# Altium PCB Proyecto_0-Buck_Up.PcbDoc (part 4 of 5)
Units mil, origin at the board's own origin, x right, y up, seen from the top; angles counter-clockwise.
Board outline 2559.06 x 1771.65 mil, 10 copper layers (TOP, GND[1], VDD[1], Signal[1], GND[2], VDD[2], Signal[2], GND[3], VDD[3], Bottom Layer), stack 79.883 mil thick; 191 components, 257 nets, 1114 pads, 633 vias.
Unrouted connection lines stored in the file: 488.
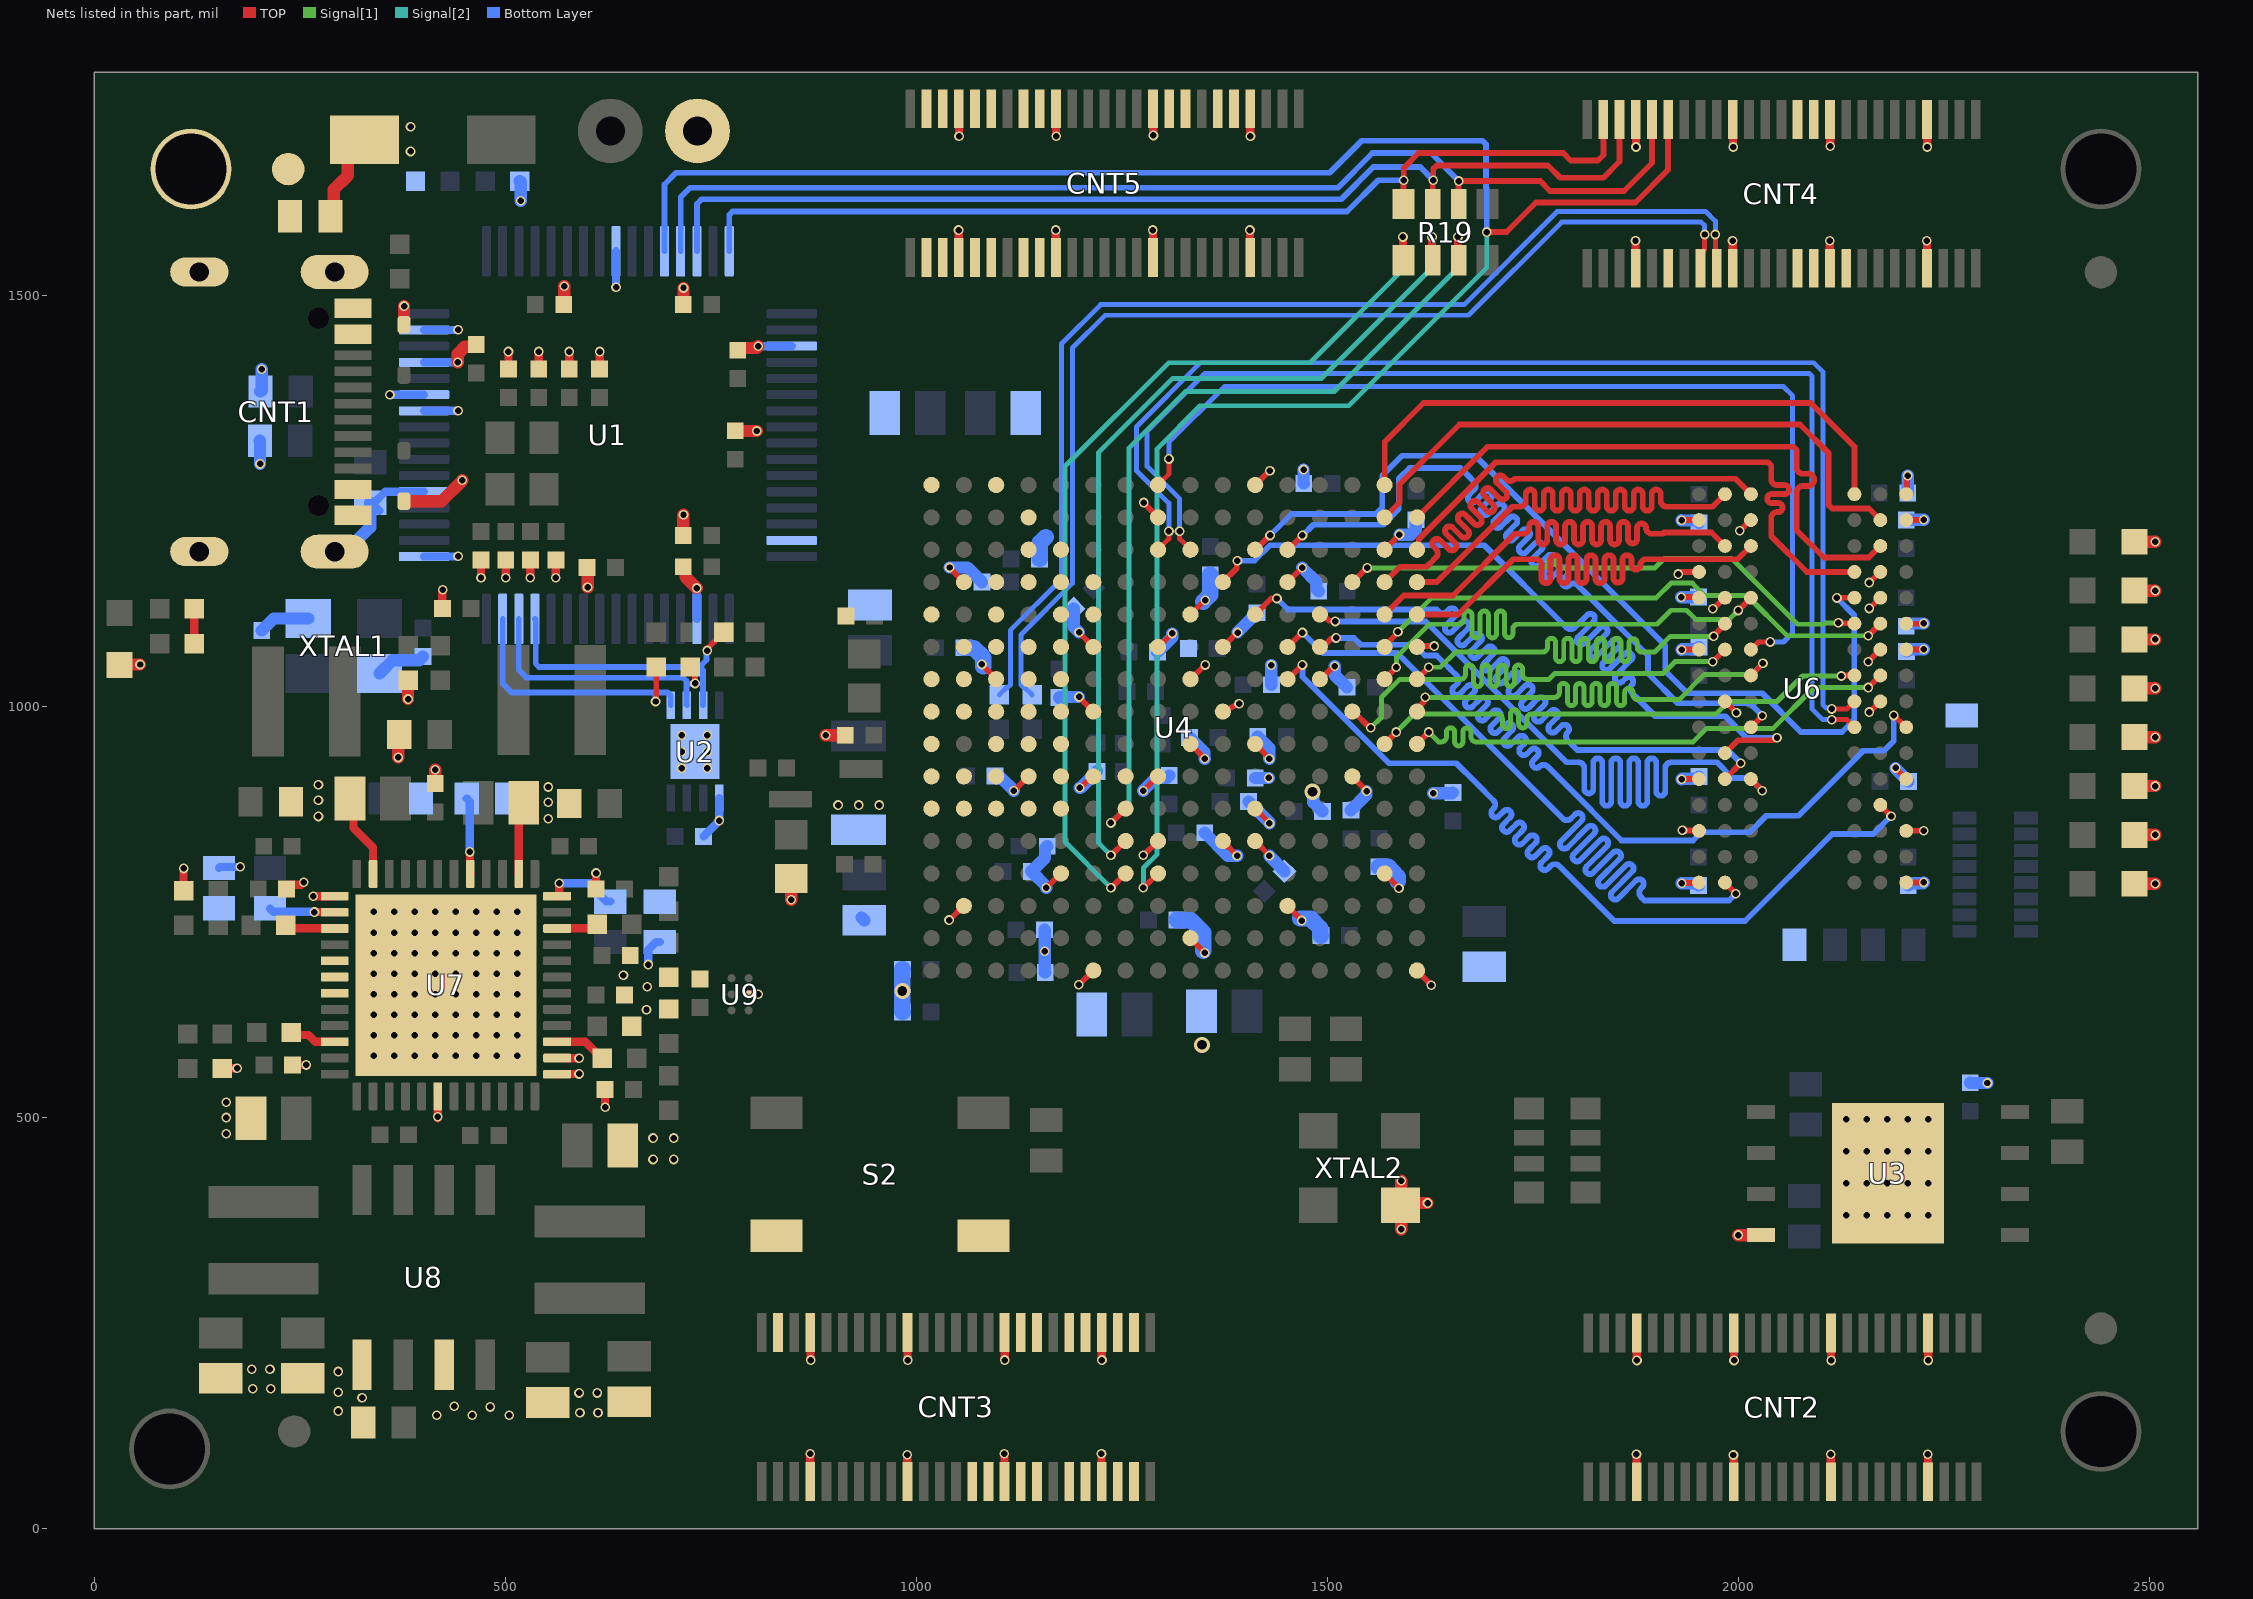
[diagram p12: the nets of this part, all layers, seen from the top]

## Via types
v1: diameter 11.81, hole 7.87, TOP to Bottom Layer, 618 vias
v2: diameter 19.68, hole 11.81, TOP to Bottom Layer, 15 vias

## Nets (pads, with @x,y where several pads share a name; then routed paths per layer and width w, separated by ;. In a path a pad name is that pad's centre, name@x,y a point inside that pad or via, vN(x,y) a via of type N, cw(c..) or ccw(c..) an arc to the next point about the centre after c; other vN are vias at no path point) (continued)
BA0: U4.E11 U6.M2 | length 1111.7
  TOP w7: U4.E11@1412.31,1111.86 1431.73,1131.27 v1(1438.8,1131.27) ; U6.M2@1983.72,911.7 v1(2002.94,930.94)
  Bottom Layer w7: v1(1438.8,1131.27) 1452.07,1118 1633,1118 1633.05,1117.95 1635.52,1115.48 ccw(c1640.47,1120.43) 1645.42,1115.48 1647.83,1117.88 cw(c1651.69,1114.01) 1655.56,1117.88 cw(c1651.69,1114.01) 1655.56,1110.15 1644.47,1099.06 ccw(c1648.34,1095.19) 1644.47,1091.32 ccw(c1648.34,1095.19) 1652.21,1091.32 1663.3,1102.41 cw(c1667.16,1098.55) 1671.03,1102.41 cw(c1667.16,1098.55) 1671.03,1094.68 1659.94,1083.59 ccw(c1663.81,1079.72) 1659.94,1075.86 ccw(c1663.81,1079.72) 1667.67,1075.86 1678.76,1086.95 cw(c1682.63,1083.08) 1686.5,1086.95 cw(c1682.63,1083.08) 1686.5,1079.21 1675.41,1068.12 ccw(c1679.27,1064.26) 1675.41,1060.39 ccw(c1679.27,1064.26) 1683.14,1060.39 1694.23,1071.48 cw(c1698.1,1067.61) 1701.96,1071.48 cw(c1698.1,1067.61) 1701.96,1063.74 1690.87,1052.65 ccw(c1694.74,1048.79) 1690.87,1044.92 ccw(c1694.74,1048.79) 1698.61,1044.92 1709.7,1056.01 cw(c1713.56,1052.14) 1717.43,1056.01 cw(c1713.56,1052.14) 1717.43,1048.28 1706.34,1037.19 ccw(c1710.21,1033.32) 1706.34,1029.45 ccw(c1710.21,1033.32) 1714.07,1029.45 1725.16,1040.54 cw(c1729.03,1036.68) 1732.9,1040.54 cw(c1729.03,1036.68) 1732.9,1032.81 1721.81,1021.72 ccw(c1725.67,1017.85) 1721.81,1013.99 ccw(c1725.67,1017.85) 1729.54,1013.99 1740.63,1025.08 cw(c1744.5,1021.21) 1748.37,1025.08 cw(c1744.5,1021.21) 1748.37,1017.34 1737.28,1006.25 ccw(c1741.14,1002.39) 1737.28,998.52 ccw(c1741.14,1002.39) 1745.01,998.52 1756.1,1009.61 cw(c1759.97,1005.74) 1763.83,1009.61 cw(c1759.97,1005.74) 1763.83,1001.88 1752.74,990.79 ccw(c1756.61,986.92) 1752.74,983.05 ccw(c1756.61,986.92) 1760.48,983.05 1771.57,994.14 cw(c1775.43,990.28) 1779.3,994.14 cw(c1775.43,990.28) 1779.3,986.41 1770.37,977.48 ccw(c1774.23,973.61) 1770.37,969.74 ccw(c1774.23,973.61) 1778.1,969.74 1784.63,976.27 cw(c1788.5,972.4) 1792.36,976.27 cw(c1788.5,972.4) 1792.36,968.54 ccw(c1797.31,963.59) 1792.36,958.64 1804,947 1818.36,947 1987,947 2002.94,931.06 v1(2002.94,930.94)
BA1: U4.G12 U6.N8 | length 1111.9
  TOP w7: U4.G12@1451.68,1033.12 1452.07,1033.12 1469.45,1050.49 v1(1469.84,1050.49) ; U6.N8@2172.7,880.2 2172.7,879.89 2185.7,866.88 v1(2185.7,866.57)
  Bottom Layer w7: v1(1469.84,1050.49) 1469.84,1036.16 1575,931 1657,931 1680.5,907.5 1682.97,905.03 1702.34,885.66 cw(c1697.39,880.71) 1702.34,875.76 1700.95,874.37 ccw(c1704.81,870.5) 1700.95,866.64 ccw(c1704.81,870.5) 1708.68,866.64 1714.69,872.65 cw(c1718.56,868.78) 1722.42,872.65 cw(c1718.56,868.78) 1722.42,864.91 1714.18,856.67 ccw(c1718.04,852.8) 1714.18,848.93 ccw(c1718.04,852.8) 1721.91,848.93 1730.16,857.18 cw(c1734.02,853.31) 1737.89,857.18 cw(c1734.02,853.31) 1737.89,849.45 1729.64,841.2 ccw(c1733.51,837.33) 1729.64,833.47 ccw(c1733.51,837.33) 1737.38,833.47 1745.62,841.71 cw(c1749.49,837.85) 1753.36,841.71 cw(c1749.49,837.85) 1753.36,833.98 1745.11,825.73 ccw(c1748.98,821.87) 1745.11,818 ccw(c1748.98,821.87) 1752.84,818 1761.09,826.25 cw(c1764.96,822.38) 1768.83,826.25 cw(c1764.96,822.38) 1768.83,818.51 1760.58,810.26 ccw(c1764.45,806.4) 1760.58,802.53 ccw(c1764.45,806.4) 1768.31,802.53 1771.94,806.16 cw(c1776.89,801.21) 1781.84,806.16 1784.32,803.68 1849,739 2008.1,739 2114.1,845 2164.13,845 v1(2185.7,866.57)
BA2: U4.E13 U6.M3 | length 1112.8
  TOP w7: U4.E13@1491.05,1111.86 1494.49,1111.86 1502.08,1104.26 1508.81,1104.26 v1(1509.73,1103.34) ; U6.M3@2015.22,911.7 2015.22,911.53 2029.03,897.71 v1(2029.03,897.54)
  Bottom Layer w7: v1(1509.73,1103.34) 1619.66,1103.34 1791,932 1791.17,932 1805.61,932 cw(c1805.61,925) 1812.61,925 1812.61,899.58 ccw(c1818.08,899.58) 1823.55,899.58 1823.55,931.53 cw(c1829.02,931.53) 1834.49,931.53 1834.49,884.62 ccw(c1839.95,884.62) 1845.42,884.62 1845.42,931.53 cw(c1850.89,931.53) 1856.36,931.53 1856.36,884.62 ccw(c1861.83,884.62) 1867.3,884.62 1867.3,931.53 cw(c1872.77,931.53) 1878.23,931.53 1878.23,884.62 ccw(c1883.7,884.62) 1889.17,884.62 1889.17,931.53 cw(c1894.64,931.53) 1900.11,931.53 1900.11,896.7 ccw(c1905.58,896.7) 1911.05,896.7 1911.05,925 cw(c1918.05,925) 1918.05,932 1935.52,932 1974,932 1993,913 2013.58,913 v1(2029.03,897.54)
BVUS: CNT1.A4_B9 CNT1.B4_A9 S3.1
BVUS_PROTECTED: R8.2 S1.A S3.2 | length 110.1
  TOP w15: S3.2@287.61,1596 291.44,1599.83 291.44,1628.44 308.76,1645.76 308.76,1668.76 S1.A@329,1689
  other v1: 385,1675 385,1705
C\A\S\: U4.C12 U6.K3 | length 1112.2
  TOP w7: U4.C12@1451.68,1190.6 1452.07,1190.6 1469.45,1207.97 v1(1469.84,1207.97) ; U6.K3@2015.22,974.69 v1(2029.22,988.69)
  Bottom Layer w7: v1(1469.84,1207.97) 1482.87,1221 1568,1221 1587,1240 1587,1277 1600,1290 1662,1290 1668.38,1283.62 1670.86,1281.14 1678.59,1273.41 cw(c1673.64,1268.46) 1678.59,1263.51 1672.48,1257.39 ccw(c1676.34,1253.53) 1672.48,1249.66 ccw(c1676.34,1253.53) 1680.21,1249.66 1690.94,1260.39 cw(c1694.81,1256.53) 1698.68,1260.39 cw(c1694.81,1256.53) 1698.68,1252.66 1687.94,1241.93 ccw(c1691.81,1238.06) 1687.94,1234.19 ccw(c1691.81,1238.06) 1695.68,1234.19 1706.41,1244.93 cw(c1710.28,1241.06) 1714.15,1244.93 cw(c1710.28,1241.06) 1714.15,1237.19 1703.41,1226.46 ccw(c1707.28,1222.59) 1703.41,1218.72 ccw(c1707.28,1222.59) 1711.15,1218.72 1721.88,1229.46 cw(c1725.75,1225.59) 1729.61,1229.46 cw(c1725.75,1225.59) 1729.61,1221.72 1718.88,1210.99 ccw(c1722.75,1207.12) 1718.88,1203.26 ccw(c1722.75,1207.12) 1726.61,1203.26 1737.35,1213.99 cw(c1741.21,1210.12) 1745.08,1213.99 cw(c1741.21,1210.12) 1745.08,1206.26 1734.35,1195.52 ccw(c1738.21,1191.66) 1734.35,1187.79 ccw(c1738.21,1191.66) 1742.08,1187.79 1752.81,1198.52 cw(c1756.68,1194.66) 1760.55,1198.52 cw(c1756.68,1194.66) 1760.55,1190.79 1749.81,1180.06 ccw(c1753.68,1176.19) 1749.81,1172.32 ccw(c1753.68,1176.19) 1757.55,1172.32 1768.28,1183.06 cw(c1772.15,1179.19) 1776.01,1183.06 cw(c1772.15,1179.19) 1776.01,1175.32 1765.28,1164.59 ccw(c1769.15,1160.72) 1765.28,1156.86 ccw(c1769.15,1160.72) 1773.01,1156.86 1783.75,1167.59 cw(c1787.62,1163.72) 1791.48,1167.59 cw(c1787.62,1163.72) 1791.48,1159.86 1786.8,1155.17 ccw(c1790.67,1151.31) 1786.8,1147.44 ccw(c1790.67,1151.31) 1794.53,1147.44 1794.6,1147.5 cw(c1799.55,1142.55) 1804.5,1147.5 1817.35,1134.65 1819.83,1132.17 1890,1062 1890,1040 1926.2,1003.8 2014.1,1003.8 v1(2029.22,988.69)
C\S\: U4.D10 U6.L2 | length 1141
  TOP w7: U4.D10@1372.94,1151.23 1389.81,1168.09 1389.81,1176.42 v1(1390.73,1177.34) ; U6.L2@1983.72,943.19 1999.47,958.94 2042.64,958.94 2045.7,962 v1(2047,962)
  Bottom Layer w7: v1(1390.73,1177.34) 1411.66,1177.34 1430.31,1196 1691,1196 1788.56,1098.44 1791.04,1095.96 ccw(c1795.99,1100.91) 1800.94,1095.96 1816.14,1111.17 cw(c1820.01,1107.3) 1823.87,1111.17 cw(c1820.01,1107.3) 1823.87,1103.43 1805.01,1084.57 ccw(c1808.88,1080.71) 1805.01,1076.84 ccw(c1808.88,1080.71) 1812.75,1076.84 1831.61,1095.7 cw(c1835.47,1091.83) 1839.34,1095.7 cw(c1835.47,1091.83) 1839.34,1087.97 1820.48,1069.11 ccw(c1824.35,1065.24) 1820.48,1061.37 ccw(c1824.35,1065.24) 1828.21,1061.37 1847.07,1080.23 cw(c1850.94,1076.37) 1854.81,1080.23 cw(c1850.94,1076.37) 1854.81,1072.5 1835.95,1053.64 ccw(c1839.82,1049.77) 1835.95,1045.91 ccw(c1839.82,1049.77) 1843.68,1045.91 1861.84,1064.06 cw(c1865.7,1060.19) 1869.57,1064.06 cw(c1865.7,1060.19) 1869.57,1056.33 1851.42,1038.17 ccw(c1855.28,1034.3) 1851.42,1030.44 ccw(c1855.28,1034.3) 1859.15,1030.44 1862.81,1034.09 cw(c1866.67,1030.23) 1870.54,1034.09 cw(c1866.67,1030.23) 1870.54,1026.36 ccw(c1875.49,1021.41) 1870.54,1016.46 1875.74,1011.25 1878.22,1008.78 1898.95,988.05 1983.95,988.05 2010,962 v1(2047,962)
CK_N: U4.C9 U6.K7 | length 1470.7
  TOP w6: v1(1320.39,1213) 1320.39,1203.78 U4.C9@1333.57,1190.6 ; v1(2113.7,983.94) 2121.45,983.94 2131.95,983.94 U6.K7@2141.2,974.69
  Bottom Layer w6: v1(1320.39,1213) 1320.39,1252.61 1309,1264 1281,1292 1281,1335 1351,1405 2086.28,1405 2089.79,1401.49 2089.79,996.76 2102.61,983.94 v1(2113.7,983.94)
CK_P: U4.C8 U6.J7 | length 1492.2
  TOP w6: U4.C8@1294.2,1190.6 1307.39,1203.78 v1(1307.39,1213) ; v1(2113.7,996.94) 2126.83,996.94 2131.95,996.94 U6.J7@2141.2,1006.19
  Bottom Layer w6: v1(1307.39,1213) 1307.39,1247.23 1268,1286.62 1268,1340.38 1345.62,1418 2091.66,1418 2102.79,1406.87 2102.79,1002.14 2106.88,998.05 2112.58,998.05 v1(2113.7,996.94)
CKE: U4.F13 U6.K9 | length 1141.7
  TOP w7: U4.F13@1491.05,1072.49 1494.49,1072.49 1504.43,1082.42 1509.81,1082.42 v1(1510.73,1083.34) ; v1(2189,989) 2189.44,989 2203.75,974.69 U6.K9@2204.35,974.69
  Bottom Layer w7: v1(1510.73,1083.34) 1532.66,1083.34 1541,1075 1606,1075 1619,1062 1633,1062 1647.5,1047.5 1649.97,1045.03 1657.71,1037.29 cw(c1652.76,1032.34) 1657.71,1027.39 1653.54,1023.23 ccw(c1657.41,1019.36) 1653.54,1015.49 ccw(c1657.41,1019.36) 1661.28,1015.49 1670.55,1024.76 cw(c1674.41,1020.9) 1678.28,1024.76 cw(c1674.41,1020.9) 1678.28,1017.03 1669.01,1007.76 ccw(c1672.88,1003.89) 1669.01,1000.03 ccw(c1672.88,1003.89) 1676.75,1000.03 1686.01,1009.29 cw(c1689.88,1005.43) 1693.75,1009.29 cw(c1689.88,1005.43) 1693.75,1001.56 1684.48,992.29 ccw(c1688.35,988.43) 1684.48,984.56 ccw(c1688.35,988.43) 1692.21,984.56 1701.48,993.83 cw(c1705.35,989.96) 1709.21,993.83 cw(c1705.35,989.96) 1709.21,986.09 1699.95,976.83 ccw(c1703.81,972.96) 1699.95,969.09 ccw(c1703.81,972.96) 1707.68,969.09 1716.95,978.36 cw(c1720.82,974.49) 1724.68,978.36 cw(c1720.81,974.49) 1724.68,970.63 1715.41,961.36 ccw(c1719.28,957.49) 1715.41,953.62 ccw(c1719.28,957.49) 1723.15,953.62 1732.42,962.89 cw(c1736.28,959.03) 1740.15,962.89 cw(c1736.28,959.03) 1740.15,955.16 1735.04,950.05 ccw(c1738.91,946.19) 1735.04,942.32 ccw(c1738.91,946.19) 1742.78,942.32 1747.73,947.27 cw(c1751.6,943.41) 1755.46,947.27 cw(c1751.6,943.41) 1755.46,939.54 1750.51,934.59 ccw(c1754.38,930.72) 1750.51,926.85 ccw(c1754.38,930.72) 1758.25,926.85 cw(c1763.2,921.9) 1768.15,926.85 1783.53,911.47 1786,909 1858,837 1945,837 1955,847 2014,847 2034.04,867.04 2073.04,867.04 2151,945 2151,946 2177,946 2189,958 v1(2189,989)
COMP1: R32.2 U7.39 | length 63.1
  TOP w10: U7.39@563.24,592.1 597.9,592.1 R32.2@618,572
COMP2: R36.2 U7.22 | length 57.4
  TOP w10: R36.2@240,603.39 242.95,600.44 260.95,600.44 269.29,592.1 U7.22@292.76,592.1
COMP3: R39.2 U7.46 | length 50.9
  TOP w10: U7.46@563.24,729.9 563.55,730.21 607.21,730.21 R39.2@612,735
COMP4: R42.2 U7.15 | length 61.5
  TOP w10: R42.2@233,734 236.79,730.21 292.45,730.21 U7.15@292.76,729.9
CONFIG_TCK: CNT4.27 R19.8 U1.32 | length 1225.9
  TOP w7: R19.8@1592.82,1611.25 1592.82,1639.82 v1(1593,1640) 1593,1655 1611,1673 1787,1673 1796,1664 1829,1664 1835.83,1670.83 CNT4.27@1835.83,1714
  Bottom Layer w7: U1.32@772.64,1553.62 772.64,1597.9 776.74,1602 1524,1602 1562,1640 v1(1593,1640)
CONFIG_TCK_T: R19.1 U4.N7 | length 1138.8
  TOP w7: v1@1237.26,779.52 U4.N7@1254.64,796.89
  TOP w10: v1(1592,1571) 1592,1543.57 R19.1@1592.82,1542.75
  Signal[2] w6: v1(1236.87,779.52) 1181,835.39 1181,1292 1307,1418 1479,1418 1592,1531 v1(1592,1571)
CONFIG_TDI: CNT4.30 R19.6 U1.29 | length 1383.4
  TOP w7: R19.6@1659.75,1611.25 1659.75,1638.75 v1(1660,1639) 1759,1639 1771,1627 1861,1627 1894.89,1660.89 CNT4.30@1894.89,1714
  Bottom Layer w7: U1.29@713.58,1553.62 713.58,1619.58 725,1631 1513,1631 1555,1673 1626,1673 v1(1660,1639)
CONFIG_TDI_T: R19.3 U4.L7 | length 1046.8
  TOP w7: v1@1237.26,858.26 U4.L7@1254.64,875.63
  TOP w10: v1(1658.93,1571) 1658.93,1543.57 R19.3@1659.75,1542.75
  Signal[2] w6: v1(1236.87,858.26) 1259,880.38 1259,1314.5 1327.75,1383.25 1508.75,1383.25 1539.5,1414 1658.93,1533.43 v1(1658.93,1571)
CONFIG_TDO: CNT4.31 U1.28 U4.N8 | length 2625.7
  TOP w7: v1@1276.63,779.52 U4.N8@1294.01,796.89 ; v1(1694,1577) 1718,1577 1754,1613 1874.84,1613 1914.57,1652.74 CNT4.31@1914.57,1714
  Signal[2] w6: v1(1276.24,779.52) 1276.24,803.46 1293,820.22 1293,1313.43 1345.28,1365.72 1526.28,1365.72 1694,1533.43 v1(1694,1577)
  Bottom Layer w7: U1.28@693.9,1553.62 693.9,1634.9 708,1649 1503,1649 1542,1688 1688.9,1688 1693,1683.9 1693,1631.6 1694,1630.6 v1(1694,1577)
CONFIG_TMS: CNT4.28 R19.7 U1.30 | length 1315.4
  TOP w7: R19.7@1628.25,1611.25 1628.25,1639.25 v1(1629,1640) 1629,1653.9 1633.1,1658 1768.31,1658 1783.31,1643 1835.84,1643 1855.52,1662.68 CNT4.28@1855.52,1714
  Bottom Layer w7: U1.30@733.27,1553.62 733.27,1611.27 739,1617 1517,1617 1556,1656 1613,1656 v1(1629,1640)
CONFIG_TMS_T: R19.2 U4.M7 | length 1085.4
  TOP w7: v1@1237.26,818.89 U4.M7@1254.64,836.26
  TOP w10: v1(1627.43,1571) 1627.43,1543.57 R19.2@1628.25,1542.75
  Signal[2] w6: v1(1236.87,818.89) 1222,833.76 1222,1309 1312,1399 1493,1399 1627.43,1533.43 v1(1627.43,1571)
D\D\R\_\R\E\S\E\T\: U4.F12 U6.T2 | length 1140.6
  TOP w7: U4.F12@1451.68,1072.49 1452.07,1072.49 1469.45,1089.86 v1(1469.84,1089.86) ; U6.T2@1983.72,785.71 1983.72,785.4 1996.73,772.4 v1(1996.73,772.09)
  Bottom Layer w7: v1(1469.84,1089.86) 1494.7,1065 1585,1065 1783.96,866.04 1786.43,863.57 ccw(c1791.38,868.52) 1796.33,863.57 1801.45,868.68 cw(c1805.31,864.81) 1809.18,868.68 cw(c1805.31,864.81) 1809.18,860.95 1784.51,836.27 ccw(c1788.38,832.41) 1784.51,828.54 ccw(c1788.38,832.41) 1792.24,828.54 1816.91,853.21 cw(c1820.78,849.34) 1824.65,853.21 cw(c1820.78,849.34) 1824.65,845.48 1799.98,820.81 ccw(c1803.84,816.94) 1799.98,813.07 ccw(c1803.84,816.94) 1807.71,813.07 1832.38,837.74 cw(c1836.25,833.88) 1840.11,837.74 cw(c1836.25,833.88) 1840.11,830.01 1815.44,805.34 ccw(c1819.31,801.47) 1815.44,797.61 ccw(c1819.31,801.47) 1823.18,797.61 1847.85,822.28 cw(c1851.72,818.41) 1855.58,822.28 cw(c1851.71,818.41) 1855.58,814.54 1830.91,789.87 ccw(c1834.78,786.01) 1830.91,782.14 ccw(c1834.78,786.01) 1838.64,782.14 1863.32,806.81 cw(c1867.18,802.94) 1871.05,806.81 cw(c1867.18,802.94) 1871.05,799.08 1846.38,774.4 ccw(c1850.24,770.54) 1846.38,766.67 ccw(c1850.24,770.54) 1854.11,766.67 1875.6,788.16 cw(c1879.46,784.29) 1883.33,788.16 cw(c1879.46,784.29) 1883.33,780.42 1881.4,778.5 ccw(c1886.35,773.55) 1881.4,768.6 1886,764 1900.18,764 1988.64,764 v1(1996.73,772.09)
DONE: CNT4.9 R14.1 R15.1 U4.H10 | length 65
  TOP w7: U4.H10@1372.94,993.74 v1(1392.73,1003.34)
  TOP w10: R15.1@122,1076 R14.1@122,1119
DQ0: U4.G15 U6.E3 | length 667.8
  TOP w7: U4.G15@1569.79,1033.12 1569.79,1033.25 1584,1047.46 v1(1584,1047.59) ; v1(1999.78,1116.75) U6.E3@2015.22,1132.17
  Signal[1] w6: v1(1584,1047.59) 1584,1060 1624,1100 1657.08,1100 1660.08,1100 ccw(c1660.08,1106) 1666.08,1106 1666.08,1111.12 cw(c1671.04,1111.12) 1676.01,1111.12 1676.01,1088.4 ccw(c1680.98,1088.4) 1685.95,1088.4 1685.95,1111.12 cw(c1690.92,1111.12) 1695.89,1111.12 1695.89,1088.4 ccw(c1700.86,1088.4) 1705.82,1088.4 1705.82,1111.12 cw(c1710.79,1111.12) 1715.76,1111.12 1715.76,1088.62 ccw(c1720.73,1088.62) 1725.7,1088.62 1725.7,1094 cw(c1731.7,1094) 1731.7,1100 1759.85,1100 1901,1100 1918,1117 1937,1117 1948,1106 1989.03,1106 v1(1999.78,1116.75)
DQ1: U4.D14 U6.F7 | length 669.5
  TOP w7: U4.D14@1530.42,1151.23 1530.9,1151.23 1548.11,1168.44 v1(1548.58,1168.44) ; v1(2121.71,1101.71) 2122.23,1101.19 2140.68,1101.19 U6.F7@2141.2,1100.67
  Signal[1] w6: v1(1548.58,1168.44) 1548.75,1168.6 1759,1168.6 1762,1168.6 ccw(c1762,1174.6) 1768,1174.6 cw(c1772.97,1174.6) 1777.94,1174.6 ccw(c1783.94,1174.6) 1783.94,1168.6 1863,1168.6 1898.6,1168.6 1910,1180 1992,1180 2072,1100 2103.81,1100 2105.52,1101.71 v1(2121.71,1101.71)
DQ2: U4.G16 U6.F2 | length 668
  TOP w7: U4.G16@1609.16,1033.12 1609.16,1033.25 1623.37,1047.46 v1(1623.37,1047.59) ; v1(1969.87,1085.32) 1969.87,1086.07 1983.72,1099.92 U6.F2@1983.72,1100.67
  Signal[1] w6: v1(1623.37,1047.59) 1637.63,1047.63 1656,1066 1758.73,1066 1761.73,1066 ccw(c1761.73,1072) 1767.73,1072 1767.73,1077.94 cw(c1772.69,1077.94) 1777.66,1077.94 1777.66,1059.47 ccw(c1782.63,1059.47) 1787.6,1059.47 1787.6,1077.94 cw(c1792.57,1077.94) 1797.54,1077.94 1797.54,1059.47 ccw(c1802.51,1059.47) 1807.47,1059.47 1807.47,1077.94 cw(c1812.44,1077.94) 1817.41,1077.94 1817.41,1059.47 ccw(c1822.38,1059.47) 1827.35,1059.47 1827.35,1077.94 cw(c1832.32,1077.94) 1837.28,1077.94 1837.28,1059.47 ccw(c1842.25,1059.47) 1847.22,1059.47 1847.22,1077.94 cw(c1852.19,1077.94) 1857.16,1077.94 1857.16,1059.47 ccw(c1862.13,1059.47) 1867.1,1059.47 1867.1,1077.22 cw(c1872.06,1077.22) 1877.03,1077.22 1877.03,1072 ccw(c1883.03,1072) 1883.03,1066 1898,1066 1903,1071 1917.32,1085.32 v1(1969.87,1085.32)
DQ3: U4.F15 U6.F8 | length 669
  TOP w7: U4.F15@1569.79,1072.49 1569.79,1073.64 1586,1089.85 v1(1586,1091) ; v1(2158,1085.99) U6.F8@2172.7,1100.67
  Signal[1] w6: v1(1586,1091) 1627,1132 1900,1132 1918,1150 1944,1150 1959,1135 2010.54,1135 2059.54,1086 v1(2158,1085.99)
DQ4: U4.H16 U6.H3 | length 668.7
  TOP w7: U4.H16@1609.16,993.74 1609.16,997.18 1618.08,1006.09 1618.08,1010.08 v1(1619,1011) ; U6.H3@2015.22,1037.68 v1(2029.91,1052.36)
  Signal[1] w6: v1(1619,1011) 1773.27,1011 1776.27,1011 ccw(c1776.27,1017) 1782.27,1017 1782.27,1023.04 cw(c1787.24,1023.04) 1792.21,1023.04 1792.21,1005.96 ccw(c1797.18,1005.96) 1802.15,1005.96 1802.15,1023.04 cw(c1807.12,1023.04) 1812.08,1023.04 1812.08,1005.96 ccw(c1817.05,1005.96) 1822.02,1005.96 1822.02,1023.04 cw(c1826.99,1023.04) 1831.96,1023.04 1831.96,1005.96 ccw(c1836.93,1005.96) 1841.89,1005.96 1841.89,1023.04 cw(c1846.86,1023.04) 1851.83,1023.04 1851.83,1005.96 ccw(c1856.8,1005.96) 1861.77,1005.96 1861.77,1017.09 cw(c1866.74,1017.09) 1871.71,1017.09 1871.71,1014.26 ccw(c1877.71,1014.26) 1877.71,1008.26 1915.64,1008.26 1927.99,1008.26 1958.73,1039 2016.55,1039 v1(2029.91,1052.36)